# KiCad board CXD-ROUTER-V1.0_PUBLISH.kicad_pcb (continued)
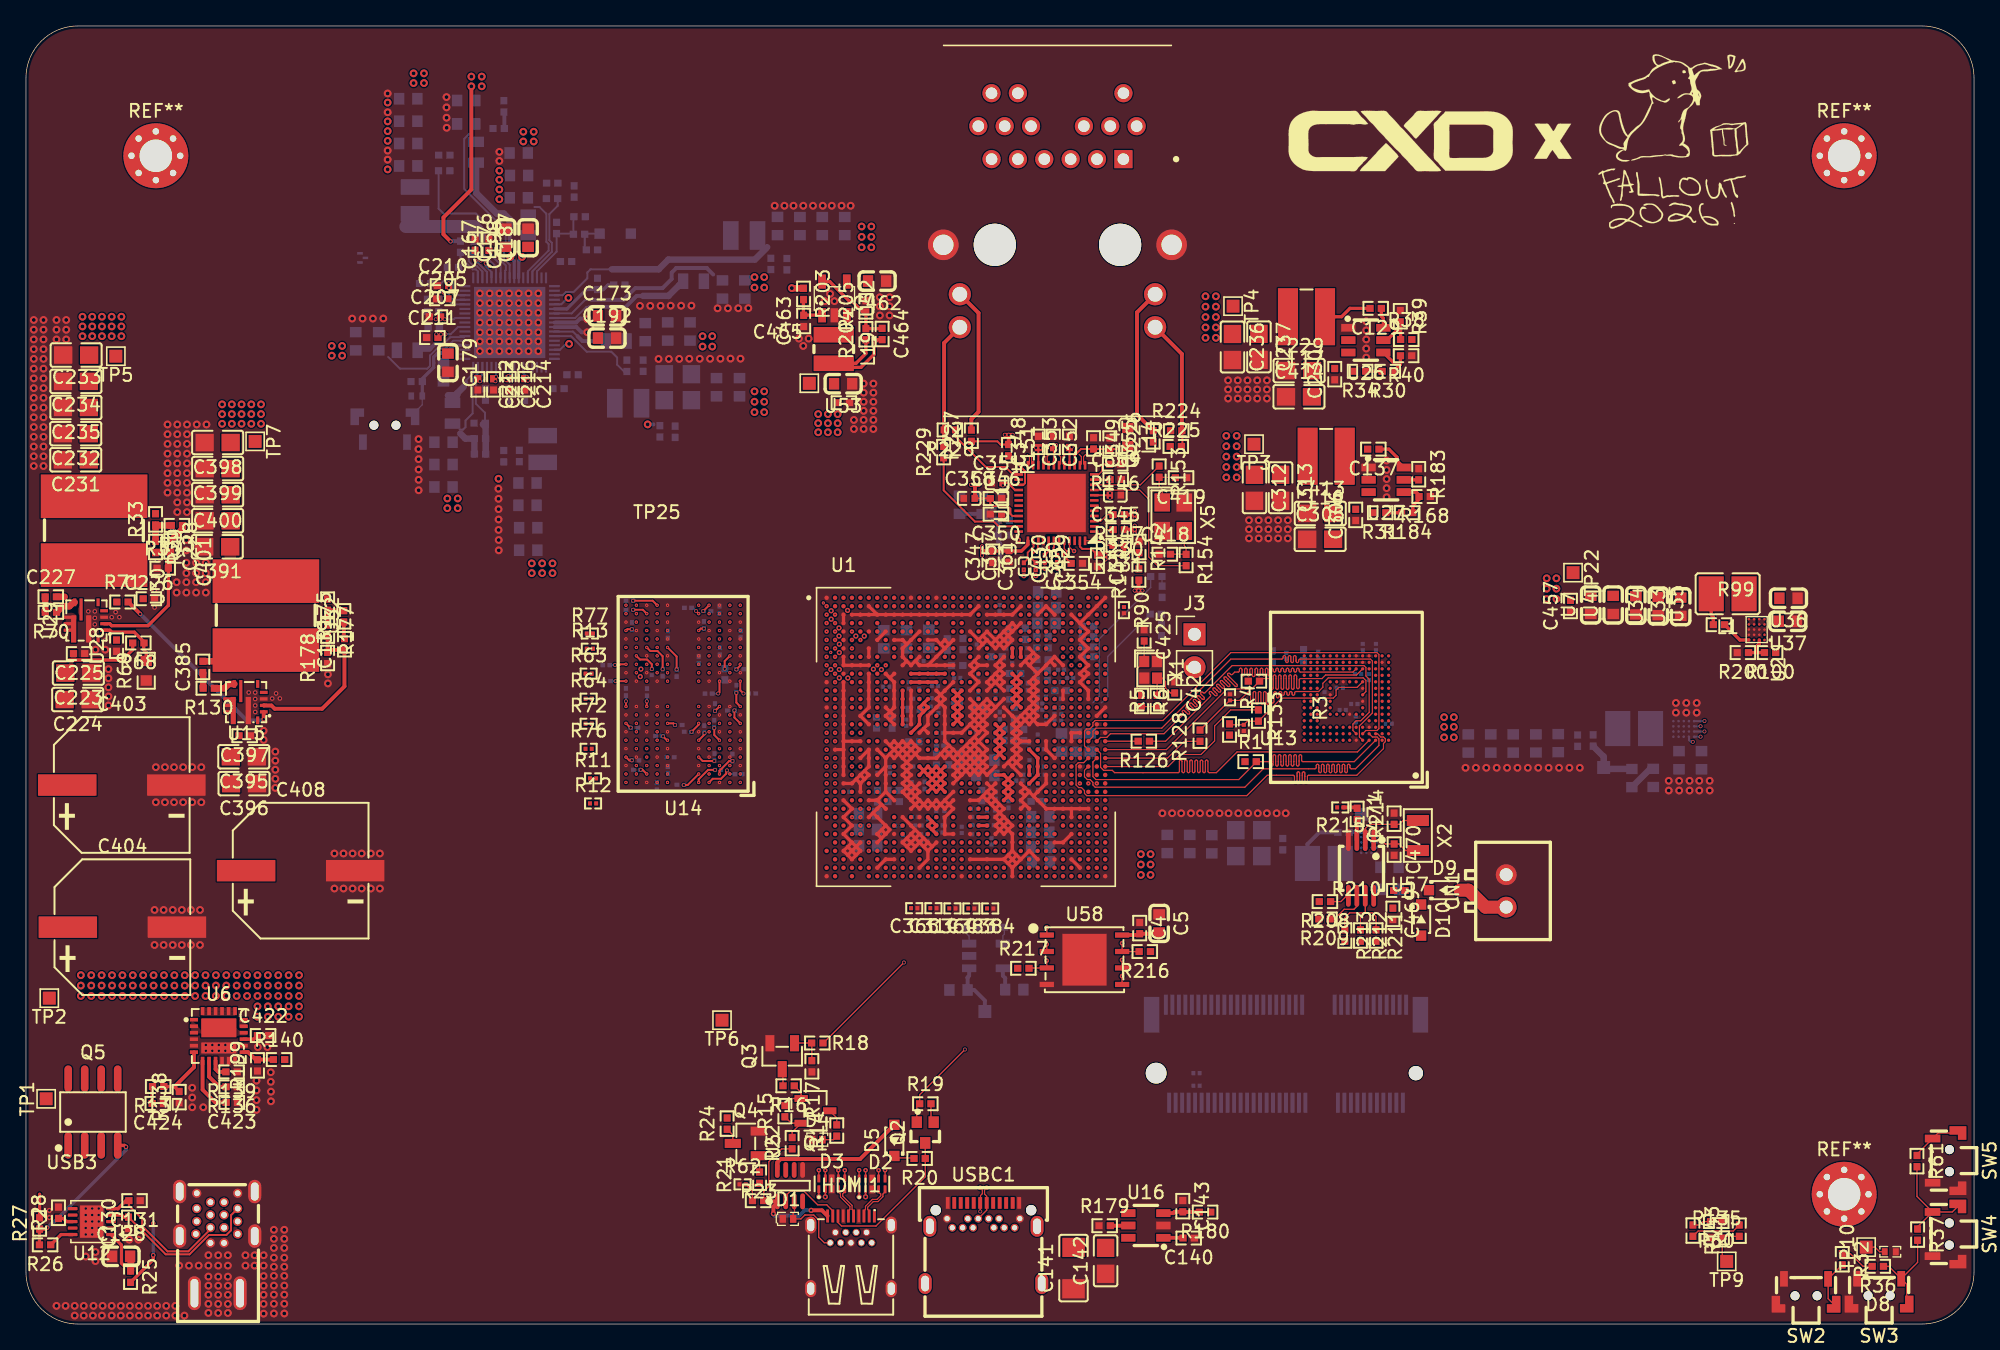
[diagram p0: board, top side]
## Routing (per net, layer and track width the routed paths; a pad name or vN(x,y) marks a point on that pad's centre or on a via; arc(x,y) is an arc through that point) (continued)
/15V_PD_OUT_UNFUSED: length 1.3
  Top w0.254: C424.2 9.72,18.27 R137.2
/ETHERNET & MAGNETICS/AVDD33_PLL_E2: length 5.2
  Top w0.15: L14.2 84.23,67.63 83.99,67.4 C355.2 83.45,67.41 C349.2 81.23,67.41 80.75,66.92 80.75,66.16
GND: length 345.4
  Top w0.254: 77.58,47.83 77.9,47.5 U1.U23 ; 77.58,47.83 U1.N26 77.6,48.45 77.55,48.45 ; 77.58,47.83 76.92,47.18 ; 77.58,47.83 U1.N25 77.55,48.45 ; 69.12,45.88 U1.U12 ; 69.12,45.88 U1.U13 ; 69.12,45.88 U1.T13 U1.R13 U1.N15 70.1,48.8 ; 66.2,37.75 65.87,38.08 ; 66.2,37.75 65.87,37.43 ; 66.2,37.75 66.52,38.08 66.2,38.4 ; 65.87,38.08 66.2,38.4 ; 65.87,38.08 U1.AJ7 65.87,37.43 ; 66.52,46.53 66.2,46.85 66.85,47.5 66.85,49.45 66.52,49.78 ; 66.52,46.53 66.85,46.85 66.2,47.5 ; 66.52,46.53 66.85,46.2 ; U1.J19 U1.J20 ; U1.J19 73.02,50.43 ; U1.J19 73.02,51.08 ; 67.83,36.78 U1.AK10 67.83,37.43 ; 67.83,36.78 U1.AL11 68.48,36.78 ; 67.83,36.78 U1.AK11 ; U1.W15 70.45,43.95 ; U1.W15 U1.Y16 ; U1.W15 71.08,44.58 ; 70.45,43.95 70.45,43.9 U1.Y15 U1.W16 ; 70.45,43.95 70.1,43.6 U1.Y13 U1.Y12 68.48,43.93 ; 74.3,47.15 U1.T19 ; 74.3,47.15 74.3,47.2 74,47.5 ; 74.3,47.15 U1.N22 ; U1.T19 73.05,45.9 73,45.9 ; U1.T19 U1.U20 U1.V19 U1.AA16 U1.AB17 ; U1.T19 72.7,46.85 73.67,47.83 ; U1.K6 64.9,47.5 U1.R5 U1.T6 ; 77.58,40.68 U1.AC27 U1.AB27 ; 77.58,40.68 76.92,41.33 ; 77.58,40.68 U1.AF27 U1.AF32 ; 67.83,52.38 U1.F11 U1.E12 ; 67.83,52.38 U1.F10 66.85,52.7 ; 67.83,52.38 U1.G10 U1.H10 67.8,51.1 ; 75.6,52.35 75.6,52.4 U1.F22 75,53 74.95,53 ; 75.6,52.35 U1.F23 U1.E22 ; 75.6,52.35 U1.G22 U1.E20 73.67,53.03 ; 68.48,40.68 67.83,41.33 ; 68.48,40.68 U1.AE12 ; 68.48,40.68 U1.AE11 ; 68.48,40.68 68.8,41 68.48,41.33 ; 69.12,36.78 U1.AJ11 ; 69.12,36.78 U1.AL13 ; 69.12,36.78 U1.AK13 ; U1.AJ11 68.48,38.08 ; U1.AJ11 67.83,37.43 ; 73.02,47.83 U1.R20 ; 73.02,47.83 72.7,48.15 ; 73.02,47.83 72.7,47.5 U1.T20 U1.Y16 ; U1.L3 U1.M3 U1.V3 ; 66.2,38.4 U1.AG7 65.23,39.38 ; U1.AE12 U1.AF13 70.1,40.35 U1.AF15 U1.AE16 ; U1.AE12 U1.AF11 ; 68.48,43.93 U1.AA10 U1.AB11 U1.AC10 67.83,41.33 ; 68.48,43.93 U1.W11 ; 68.48,43.93 U1.W12 68.48,44.58 ; U1.Y10 66.52,44.58 ; U1.Y10 U1.W11 ; U1.Y10 U1.AA11 U1.AB10 U1.AC11 ; 66.52,44.58 66.2,44.9 ; 66.52,44.58 66.85,44.9 U1.Y11 ; 81.48,49.78 U1.K31 81.48,50.43 ; 81.48,49.78 U1.K32 81.48,50.43 ; 81.48,49.78 U1.L31 U1.M32 U1.N32 ; U1.AK11 67.83,37.43 ; U1.AK11 68.48,36.78 ; U1.AK11 U1.AJ12 ; U1.AF25 76.92,40.03 ; 76.92,40.03 76.6,39.7 ; 76.92,40.03 76.6,40.35 76.92,40.68 ; 76.27,53.68 76.6,54 ; 76.27,53.68 75.95,54 75.62,53.68 ; 76.27,53.68 U1.G21 74.33,52.38 ; U1.N29 U1.M29 ; 72.7,40.35 U1.AE19 73.7,40.7 ; U1.AM22 75.65,36.15 ; U1.AM22 72.7,35.8 ; U1.AM22 75.62,35.48 ; 75.65,36.15 75.65,36.1 U1.AM23 ; 75.65,36.15 U1.AL23 ; 72.37,44.58 U1.AA20 U1.AB19 U1.W16 ; U1.F16 71.08,52.38 ; 71.08,52.38 U1.F15 70.42,52.38 ; 71.08,52.38 U1.J13 ; U1.E22 74.95,53 ; U1.E22 75.62,53.68 ; 74.95,53 U1.F21 74.33,52.38 ; 63.27,36.78 U1.AL3 63.27,36.12 ; 63.27,36.78 63.6,36.45 ; 63.27,36.78 63.6,37.1 ; 74.98,40.03 U1.AF22 U1.AG21 U1.AJ23 U1.AL23 ; 74.98,40.03 74,41 ; 74.98,40.03 U1.AF21 ; 65.23,39.38 U1.AF7 65.85,40 65.9,40 ; 65.23,39.38 U1.AG6 ; 76.92,41.33 76.6,41 76.92,40.68 ; 76.92,41.33 76.6,41.65 ; U1.W16 71.08,44.58 ; 63.6,36.45 63.92,36.12 ; 63.6,36.45 U1.AK5 ; 63.6,36.45 63.27,36.12 ; 63.92,36.12 U1.AL5 63.6,37.1 ; 63.92,36.12 63.6,35.8 63.27,36.12 ; U1.H25 77.58,51.73 ; U1.H25 77.58,51.08 ; U1.H25 76.92,51.08 ; 77.58,51.73 U1.G25 ; 77.58,51.73 U1.H26 77.58,51.08 ; 68.48,38.08 U1.AH11 U1.AG10 ; 68.48,38.08 69.12,37.43 ; U1.AJ30 U1.AK29 79.2,37.1 ; 81.48,50.43 U1.J32 U1.H31 U1.G32 U1.F31 U1.E32 U1.C30 ; U1.C20 U1.C23 76.6,55.3 ; U1.AM23 76.27,35.48 ; U1.AM23 76.27,36.12 ; U1.AM23 75.62,35.48 ; 76.27,35.48 U1.AN23 ; 76.27,35.48 U1.AL25 U1.AM26 ; 64.58,42.62 63.92,41.98 ; 64.58,42.62 U1.AA6 U1.Y6 U1.W6 U1.Y5 ; 64.58,42.62 U1.AB6 64.58,41.98 ; 63.92,41.98 U1.AC5 ; 63.92,41.98 63.6,41.65 U1.AC3 ; U1.W3 62.3,44.25 ; U1.AE20 73.7,40.65 73.7,40.7 ; U1.AE20 74.27,40.08 ; U1.AE20 74.65,41 U1.AC20 ; 77.25,47.5 U1.R26 U1.T25 76.6,46.85 ; 63.6,37.1 U1.AJ3 63.6,38.4 U1.AG3 63.6,39.7 U1.AE3 ; 72.7,53.35 U1.F19 ; U1.F19 73.67,53.03 ; U1.F19 73.65,52.4 73.65,52.35 ; U1.AL23 76.27,36.12 ; 73.02,50.43 72.7,50.1 U1.L19 72.7,48.8 ; 73.02,50.43 72.7,50.75 73.02,51.08 ; 66.52,49.78 66.21,50.09 ; 66.52,49.78 66.85,50.1 ; U1.J10 67.8,51.05 67.8,51.1 ; 71.73,41.98 U1.AB16 U1.W19 ; 71.73,41.98 U1.W20 73.02,45.23 ; 71.73,41.98 U1.AC16 ; 73.67,47.83 U1.N20 74.33,47.83 ; 73.67,47.83 74,47.5 ; U1.W11 U1.V10 66.52,43.93 ; U1.W11 68.48,44.58 ; 64.89,50.76 64.88,50.75 U1.J3 U1.H3 ; U1.U15 U1.U17 72.7,46.2 ; U1.U15 U1.V15 71.08,44.58 ; U1.U15 70.75,47.5 70.1,48.15 U1.M15 U1.L16 ; 76.6,44.9 U1.U23 ; 76.6,44.9 U1.W23 76.6,43.6 U1.AA23 ; 76.6,44.9 U1.V25 ; U1.U23 76.6,46.2 75.3,47.5 ; 76.92,47.18 U1.T23 76.6,45.55 U1.V23 76.6,44.25 75.62,43.28 ; 76.92,47.18 U1.R25 U1.T26 U1.T27 79.2,46.85 ; U1.K26 76.92,51.08 ; U1.K26 77.6,49.8 ; U1.K26 78.87,51.08 ; 76.92,51.08 76.6,50.75 ; 74.27,40.08 74.37,40.08 U1.AE21 ; 74.27,40.08 U1.AF21 ; 73,45.9 72.7,46.2 ; 73,45.9 U1.U19 ; 72.7,46.2 74,47.5 ; 77.58,51.08 U1.J25 ; 66.2,41 U1.AE7 ; 66.2,41 66.2,43.6 ; 66.2,41 66.85,40.35 ; U1.AE7 U1.AE6 ; U1.AE7 65.9,40 ; U1.V27 U1.W27 79.2,43.6 79.25,43.65 ; 77.55,48.45 77.55,48.5 U1.M25 77.55,49.1 ; 77.55,48.45 U1.M26 77.6,49.1 77.55,49.1 ; 74.98,51.08 U1.J22 74.33,49.78 ; 74.98,51.08 U1.H22 ; 74.98,51.08 U1.J21 U1.K22 74.33,49.12 ; 74.33,52.38 U1.F20 ; U1.B6 U1.C7 ; U1.AN12 69.45,35.8 U1.AL13 ; 77.55,49.1 U1.L26 77.6,49.75 77.6,49.8 ; 77.55,49.1 77.55,49.15 U1.L25 77.6,49.8 ; 66.85,35.8 66.2,35.8 U1.AN7 ; 63.6,54.65 72.7,54.65 U1.B19 ; 73.7,40.7 U1.AC21 ; U1.E23 75.62,53.68 ; U1.AA23 76.6,42.3 ; U1.AA23 75.62,43.28 ; 75.62,43.28 U1.AA22 ; U1.AA21 U1.AB20 U1.W17 ; 79.2,50.75 78.87,51.08 ; 78.87,51.08 79.2,51.4 U1.J29 ; U1.U31 U1.U30 U1.V30 ; U1.AC11 67.83,41.33 ; U1.AC11 68.48,41.33 ; U1.W7 66.2,43.6 ; 66.2,43.6 66.52,43.93 ; 74,47.5 74.33,47.83 ; 74.33,47.83 74.65,47.5 ; 73.67,53.03 U1.F20 ; U1.AC12 68.48,41.33 ; 68.48,41.33 67.83,40.68 ; 65.87,37.43 U1.AK7 ; 74.33,49.78 U1.L21 74.98,49.12 ; 74.33,49.78 U1.L20 74.33,49.12 ; U1.K21 U1.L22 74.98,49.12 ; 74.33,49.12 U1.M20 ; U1.AE15 U1.AF16 U1.AG15 U1.AH15 U1.AJ15 U1.AJ16 ; 73.02,51.08 U1.H19 ; 74.98,49.12 U1.M22 ; 67.83,41.33 67.5,41 67.83,40.68 ; 68.48,36.78 U1.AK12 69.12,37.43 ; 67.8,51.1 U1.J11 68.48,51.08 ; 75.95,34.5 U1.AN23 ; U1.AN23 75.62,35.48 ; 66.52,43.93 66.85,43.6 U1.V11 68.48,44.58 ; U1.AL13 69.77,36.78 ; U1.Y16 72.7,42.3 U1.Y20 72.7,44.9 ; U1.F20 73.65,52.35 ; 73.65,52.35 U1.G19 ; 76.92,40.68 77.25,41 ; 75.62,38.73 U1.AH23 U1.AJ22 U1.AH21 U1.AG22 ; 75.62,38.73 U1.AF21 ; 75.62,38.73 U1.AH22 U1.AJ21 ; U1.F13 70.1,52.7 70.42,52.38 ; 69.12,37.43 U1.AK13 ; 67.83,40.68 U1.AF12 U1.AE13 70.1,39.7 71.4,41 ; 69.77,36.78 70.1,37.1 ; 69.77,36.78 U1.AK13 ; U1.V3 U1.V5 ; U1.V3 U1.AB3 ; 70.42,52.38 U1.G15 ; U1.J13 U1.J12 68.48,51.08 ; U1.J13 U1.J16 ; 68.48,51.08 U1.H12 ; U1.G6 U1.H6 ; 83.1,55.95 81.15,54 ; 79.2,54.65 U1.B27 U1.C26 ; U1.T11 U1.M11 ; 76.27,36.12 76.6,35.8 ; 64.58,41.98 U1.AC5 ; 64.58,41.98 U1.AB5 ; U1.AC5 64.25,41 ; 65.9,40 66.2,39.7 ; 66.2,53.35 U1.F7 ; U1.AG30 U1.AF30 ; U1.AM30 U1.AN31 ; U1.C3 62.95,54 ; 66.2,42.95 U1.AB7 ; U1.Y23 76.6,42.95 ; 83.1,47.5 U1.R33
  Bottom w0.3: U18.44 42.38,76.81 42.78,76.41 v1(43.22,76.41) ; v1(43.22,77.41) 43.17,77.46 42.67,77.46 42.37,77.16 U18.43
  vias: v1(0.6,77.35) v1(0.6,76.6) v1(0.6,75.85) v1(0.6,75.1) v1(0.6,74.35) v1(0.6,73.6) v1(0.6,72.85) v1(0.6,72.1) v1(0.6,71.35) v1(0.6,70.6) v1(0.6,69.85) v1(0.6,69.1) v1(0.6,68.35) v1(0.6,67.6) v1(0.6,66.85) v1(0.6,66.1) v1(1.35,77.35) v1(1.35,76.6) v1(1.35,75.85) v1(1.35,75.1) v1(1.35,74.35) v1(1.35,73.6) v1(1.35,72.85) v1(1.35,72.1) v1(1.35,71.35) v1(1.35,70.6) v1(1.35,69.85) v1(1.35,69.1) v1(1.35,68.35) v1(1.35,67.6) v1(1.35,66.85) v1(1.35,66.1) v1(2.35,77.35) v1(2.35,76.6) v1(2.35,75.85) v1(2.35,1.4) v1(3.05,1.4) v1(3.1,77.35) v1(3.1,76.6) v1(3.1,75.85) v1(3.75,1.4) v1(3.75,0.65) v1(4.45,1.4) v1(4.45,0.65) v1(4.6,5.2) v1(5.15,0.65) v1(5.2,1.4) v1(5.35,51.95) v1(5.35,5.55) v1(5.35,4.85) v1(5.85,0.65) v1(5.9,1.4) v1(6.1,51.95) v1(6.35,50.45) v1(6.35,49.75) v1(6.35,49.05) v1(6.35,48.35) v1(6.35,47.65) v1(6.6,1.4) v1(6.6,0.65) v1(7.3,1.4) v1(7.3,0.65) v1(7.95,6.5) v1(8,1.4) v1(8,0.65) v1(8.65,6.5) v1(8.7,1.4) v1(8.7,0.65) v1(9.4,1.4) v1(9.4,0.65) v1(9.9,31.9) v1(9.9,29.2) v1(10,42.9) v1(10,40.2) v1(10.1,1.4) v1(10.1,0.65) v1(10.6,31.9) v1(10.6,29.2) v1(10.7,42.9) v1(10.7,40.2) v1(10.8,1.4) v1(10.8,0.65) v1(10.9,69.3) v1(10.9,68.55) v1(10.9,67.8) v1(10.9,67.05) v1(10.9,66.3) v1(10.9,65.55) v1(10.9,64.8) v1(10.9,64.05) v1(11.3,31.9) v1(11.3,29.2) v1(11.4,42.9) v1(11.4,40.2) v1(11.5,1.4) v1(11.5,0.65) v1(11.65,69.3) v1(11.65,68.55) v1(11.65,67.8) v1(11.65,67.05) v1(11.65,66.3) v1(11.65,65.55) v1(11.65,64.8) v1(11.65,64.05) v1(11.65,63.3) v1(11.65,62.55) v1(11.6,57.15) v1(11.6,56.35) v1(11.79,4.51) v1(12,31.9) v1(12,29.2) v1(12.1,42.9) v1(12.1,40.2) v1(12.2,0.65) v1(12.35,60.4) v1(12.35,59.6) v1(12.35,58.65) v1(12.35,57.85) v1(12.35,57.15) v1(12.35,56.35) v1(12.4,69.3) v1(12.4,68.55) v1(12.4,67.8) v1(12.4,67.05) v1(12.4,66.3) v1(12.4,65.55) v1(12.4,64.8) v1(12.4,64.05) v1(12.4,63.3) v1(12.4,62.55) v1(12.55,4.5) v1(12.7,31.9) v1(12.7,29.2) v1(12.8,42.9) v1(12.8,40.2) v1(12.8,18.2) v1(12.8,17.45) v1(12.8,16.7) v1(13.15,69.3) v1(13.1,58.65) v1(13.1,57.85) v1(13.1,57.15) v1(13.1,56.35) v1(13.3,4.5) v1(13.4,31.9) v1(13.4,29.2) v1(13.5,42.9) v1(13.5,40.2) v1(13.65,16.7) v1(13.85,58.65) v1(13.85,57.85) v1(13.85,57.15) v1(13.85,56.35) v1(13.9,69.3) v1(14.04,5.31) v1(14.04,4.51) v1(14.04,3.66) v1(14.04,2.96) v1(14.04,2.26) v1(14.04,1.56) v1(14.04,0.86) v1(14.8,5.3) v1(14.8,4.5) v1(14.8,3.65) v1(14.8,2.95) v1(14.8,2.25) v1(14.8,1.55) v1(14.8,0.85) v1(15.55,5.3) v1(15.55,4.5) v1(15.55,3.65) v1(15.55,2.95) v1(15.55,2.25) v1(15.55,1.55) v1(15.55,0.85) v1(16.9,5.3) v1(16.9,4.5) v1(17.6,5.3) v1(17.6,4.5) v1(17.75,18.75) v1(17.75,18) v1(17.75,17.25) v1(17.75,16.5) v1(17.85,21.34) v1(18.3,45.7) v1(18.3,45) v1(18.3,5.3) v1(18.3,4.5) v1(18.3,3.7) v1(18.3,2.95) v1(18.3,2.25) v1(18.3,1.55) v1(18.3,0.8) v1(18.59,21.34) v1(18.85,19.4) v1(18.85,18.66) v1(18.86,17.9) v1(18.86,17.16) v1(19.09,7.26) v1(19.09,6.56) v1(19.09,5.86) v1(19.09,5.11) v1(19.09,4.41) v1(19.09,3.71) v1(19.09,2.96) v1(19.09,2.26) v1(19.09,1.56) v1(19.09,0.81) v1(19.2,44.1) v1(19.2,43.4) v1(19.2,42.7) v1(19.2,42) v1(19.2,41.3) v1(19.89,7.26) v1(19.89,6.56) v1(19.89,5.86) v1(19.89,5.11) v1(19.89,4.41) v1(19.89,3.71) v1(19.89,2.96) v1(19.89,2.26) v1(19.89,1.56) v1(19.89,0.81) v1(23.25,50.05) v1(23.25,49.35) v1(23.75,36.25) v1(23.75,33.55) v1(24.45,36.25) v1(24.45,33.55) v1(25.12,77.46) v1(25.15,36.25) v1(25.15,33.55) v1(25.85,36.25) v1(25.85,33.55) v1(25.92,77.46) v1(26.55,36.25) v1(26.55,33.55) v1(26.72,77.46) v1(27.25,36.25) v1(27.25,33.55) v1(27.51,77.46) v1(27.85,94.8) v1(27.85,93.35) v1(27.85,90.4) v1(27.85,89.7) v1(30.23,68.17) v1(30.22,67.4) v1(30.23,66.63) v1(30.23,65.83) v1(30.24,65.04) v1(30.24,64.23) v1(32.38,94.52) v1(32.38,93.73) v1(32.39,92.93) v1(32.39,92.16) v1(34.95,79.4) v1(34.95,78.65) v1(34.95,77.9) v1(34.95,77.15) v1(34.95,76.4) v1(34.95,75.7) v1(34.95,74.95) v1(35.7,79.4) v1(35.7,78.65) v1(35.7,77.9) v1(35.7,77.15) v1(35.7,76.4) v1(35.7,75.7) v1(35.7,74.95) v1(36.45,90.3) v1(36.45,89.6) v1(36.45,79.4) v1(36.45,78.65) v1(36.45,77.9) v1(36.45,77.15) v1(36.45,76.4) v1(36.45,75.7) v1(36.45,74.95) v1(36.38,64.35) v1(36.39,63.57) v1(36.39,62.78) v1(36.39,61.98) v1(36.39,61.18) v1(36.4,60.4) v1(36.4,59.6) v1(37.2,79.4) v1(37.2,78.65) v1(37.2,77.9) v1(37.2,77.15) v1(37.2,76.4) v1(37.2,75.7) v1(37.2,74.95) v1(37.95,79.4) v1(37.95,78.65) v1(37.95,77.9) v1(37.95,77.15) v1(37.95,76.4) v1(37.95,75.7) v1(37.95,74.95) v1(38.7,79.4) v1(38.7,78.65) v1(38.7,77.9) v1(38.7,77.15) v1(38.7,76.4) v1(38.7,75.7) v1(38.7,74.95) v1(39.45,79.4) v1(39.45,78.65) v1(39.45,77.9) v1(39.45,77.15) v1(39.45,76.4) v1(39.45,75.7) v1(39.45,74.95) v1(47.27,78.44) v1(48.07,78.44) v1(48.71,74.34) v1(48.87,78.44) v1(49.5,74.35) v1(49.64,78.45) v1(50.3,74.35) v1(50.45,78.45) v1(51.08,74.36) v1(51.24,78.45) v1(51.88,74.36) v1(52.68,74.36) v1(53.25,78.25) v1(53.47,74.36) v1(54.05,78.25) v1(54.25,74.37) v1(54.85,78.25) v1(55.02,74.37) v1(55.62,78.26) v1(57.65,86.15) v1(58.4,86.15) v1(59.1,86.15) v1(59.52,75.92) v1(59.85,86.15) v1(59.85,75.35) v1(60.27,75.92) v1(60.6,86.15) v1(61.35,86.15) v1(61.5,78.8) v1(61.92,79.37) v1(62.05,86.15) v1(62.25,78.8) v1(62.8,86.15) v1(63.5,86.15) v1(63.75,69.65) v1(63.75,68.95) v1(64.5,72.45) v1(64.5,71.75) v1(64.5,71.05) v1(64.5,70.35) v1(64.5,69.65) v1(64.5,68.95) v1(65.25,72.45) v1(65.25,71.75) v1(65.25,71.05) v1(65.25,70.35) v1(65.25,69.65) v1(65.25,68.95) v1(65.75,79.1) v1(65.75,78.4) v1(65.75,77.7) v1(66.5,79.1) v1(66.5,78.4) v1(66.5,77.7) v1(87.5,39.35) v1(88.25,39.35) v1(88.95,39.35) v1(89.7,39.35) v1(90.4,39.35) v1(91.15,39.35) v1(91.9,39.35) v1(92.56,72.7) v1(92.56,72) v1(92.56,71.3) v1(92.6,39.35) v1(93.31,72.7) v1(93.31,72) v1(93.31,71.3) v1(93.35,39.35) v1(94.06,72.7) v1(94.06,72) v1(94.06,71.3) v1(94.17,61.93) v1(94.17,61.23) v1(94.17,60.53) v1(94.1,39.35) v1(94.81,72.7) v1(94.81,72) v1(94.81,71.3) v1(94.85,39.35) v1(94.92,61.93) v1(94.92,61.23) v1(94.92,60.53) v1(95.56,72.7) v1(95.56,72) v1(95.56,71.3) v1(95.55,39.35) v1(95.67,61.93) v1(95.67,61.23) v1(95.67,60.53) v1(96.3,39.35) v1(96.42,61.93) v1(96.42,61.23) v1(96.42,60.53) v1(97,39.35) v1(97.17,61.93) v1(97.17,61.23) v1(97.17,60.53) v1(103.2,77.25) v1(103.2,76.55) v1(103.2,75.85) v1(103.2,75.15) v1(103.2,74.45) v1(104.77,66.53) v1(104.77,65.8) v1(104.77,65.1) v1(104.77,64.4) v1(104.77,63.7) v1(110.84,42.85) v1(111.64,42.85) v1(112.44,42.85) v1(113.24,42.85) v1(114.04,42.85) v1(114.84,42.85) v1(115.64,42.85) v1(116.44,42.85) v1(117.24,42.85) v1(118.04,42.85) v1(118.84,42.85) v1(119.64,42.85) v1(126.49,41.85) v1(126.49,41.1) v1(127.04,47.85) v1(127.04,47.1) v1(127.29,41.85) v1(127.29,41.1) v1(127.84,47.85) v1(127.84,47.1) v1(128.09,41.85) v1(128.09,41.1) v1(128.64,47.85) v1(128.64,47.1) v1(128.84,41.85) v1(128.84,41.1) v1(129.64,41.85) v1(129.64,41.1) v2(46.2,54.08) v2(46.2,52.78) v2(46.2,51.48) v2(46.2,50.18) v2(46.2,46.93) v2(46.2,45.62) v2(46.2,44.33) v2(46.2,43.03) v2(47,53.43) v2(47,49.53) v2(47,47.58) v2(47,43.68) v2(47.8,55.38) v2(47.8,51.48) v2(47.8,50.18) v2(47.8,46.93) v2(47.8,45.62) v2(47.8,41.73) v2(48.6,53.43) v2(48.6,49.53) v2(48.6,47.58) v2(48.6,43.68) v2(49.4,55.38) v2(49.4,54.08) v2(49.4,52.78) v2(49.4,51.48) v2(49.4,45.62) v2(49.4,44.33) v2(49.4,43.03) v2(51.8,55.38) v2(51.8,54.08) v2(51.8,52.78) v2(51.8,51.48) v2(51.8,45.62) v2(51.8,44.33) v2(51.8,43.03) v2(52.6,53.43) v2(52.6,49.53) v2(52.6,47.58) v2(52.6,43.68) v2(53.4,55.38) v2(53.4,51.48) v2(53.4,50.18) v2(53.4,46.93) v2(53.4,45.62) v2(53.4,41.73) v2(54.2,53.43) v2(54.2,49.53) v2(54.2,47.58) v2(54.2,43.68) v2(55,54.08) v2(55,52.78) v2(55,51.48) v2(55,50.18) v2(55,46.93) v2(55,45.62) v2(55,44.33) v2(55,43.03) v3(4.8,54.9) v3(5.3,54.9) v3(5.3,54.4) v3(5.3,53.9) v3(5.3,53.4) v3(6.1,52.7) v3(6.6,54.45) v3(6.9,54.84) v3(7.19,54.45) v3(9.9,56.5) v3(9.9,55.2) v3(10.1,58.8) v3(10.1,57.6) v3(13.85,21.5) v3(13.85,21.05) v3(14.35,21.5) v3(14.35,21.05) v3(14.85,21.5) v3(14.85,21.05) v3(15.35,21.5) v3(15.35,21.05) v3(15.85,21.5) v3(15.85,21.05) v3(17.15,48.65) v3(17.65,48.65) v3(17.65,48.15) v3(17.65,47.65) v3(17.65,47.15) v3(18.96,48.19) v3(19.26,48.58) v3(19.55,48.19) v4(1.8,8.75) v4(1.8,8.2) v4(4.6,8.9) v4(4.6,8.4) v4(4.6,7.9) v4(4.6,7.4) v4(4.6,6.9) v4(5.1,8.9) v4(5.1,8.4) v4(5.1,7.9) v4(5.1,7.4) v4(5.1,6.9) v4(5.6,8.9) v4(5.6,8.4) v4(5.6,7.9) v4(5.6,7.4) v4(5.6,6.9)
VCC1V8_PMU_DDR_S3: length 1.3
  Bottom w0.3: R47.1 36.83,93.34 R48.1
  vias: v2(46.2,52.12) v2(46.2,44.98) v2(48.6,51.48) v2(48.6,45.62) v2(52.6,51.48) v2(52.6,45.62) v2(55,52.12) v2(55,44.98)
VCC3V3_ETH: length 18.9
  Top w0.15: C358.2 74.25,63.6 C346.1 74.26,63.2 74.45,63 75.6,63 75.8,62.8 75.8,62.41 75.96,62.25 U11.33 ; R227.1 74.8,68 75.05,67.75 75.05,67.76 R151.1 ; C352.1 79.15,67.48 79.15,66.16 ; 76.44,61.85 75.3,61.85 75.12,62.03 C350.1
  Top w0.3: 75.67,67.71 v5(75.67,68.51) ; R147.1 v5(85.37,62.36) ; v5(85.37,62.66) v5(85.37,62.06) ; v5(72.77,64.66) v5(73.37,64.66) ; v5(84.87,59.16) v5(84.27,59.16) ; 73.07,63.86 v5(73.07,64.66) ; v5(85.97,56.51) v5(85.37,56.51) ; 84.57,61.21 v5(85.37,61.21) ; 84.57,59.96 v5(84.57,59.16) ; v5(85.37,61.51) v5(85.37,60.91) ; 85.67,57.31 v5(85.67,56.51) ; v5(75.37,68.51) v5(75.97,68.51)
  vias: v1(90.83,79.18) v1(90.83,78.38) v1(90.83,77.58) v1(90.83,76.78) v1(90.83,75.98) v1(91.62,79.18) v1(91.62,78.38) v1(91.62,77.58) v1(91.62,76.78) v1(91.62,75.98) v5(78.92,67.71) v5(79.27,67.36) v5(79.32,67.71)
VCC4V0_SYS: length 2.1
  Bottom w0.15: U18.21 35.49,81.05 34.62,81.93 v5(34.6,81.93) v5(35,81.93)
VCC5V0_SYS: length 6.6
  Top w0.3: U16.1 89.08,6.64 C140.2
  Bottom w0.15: v5(35.69,81.5) 35.49,81.7 v5(35.4,81.7) 35.4,81.49 35.84,81.05 U18.22
  Bottom w0.254: v1(37.29,82.2) 37.59,81.9 U18.27 ; U18.28 37.94,81.9 38.19,82.15 v1(38.19,82.21)
  vias: v1(4.35,77.6) v1(4.35,76.85) v1(4.35,76.1) v1(5.1,77.6) v1(5.1,76.85) v1(5.1,76.1) v1(5.85,77.6) v1(5.85,76.85) v1(5.85,76.1) v1(6.6,77.6) v1(6.6,76.85) v1(6.6,76.1) v1(7.35,77.6) v1(7.35,76.85) v1(7.35,76.1) v1(27.85,94.1) v1(27.85,92.65) v1(27.85,91.9) v1(27.85,91.15) v1(27.85,88.95) v1(36.45,88.85) v1(36.45,88.15) v1(36.45,87.4) v1(36.45,86.65)
VCC5V_HDMIRX_PORT: length 12.1
  Top w0.1: R23.2 56.81,10.21 57.2,10.6 57.2,12.5 58.2,13.5 R22.1
  Top w0.3: R23.2 56.86,9.45 U5.1 57.85,9.45 57.85,9.35 57.55,9.05 v4(57.55,8.5) ; HDMI1.19 61.29,8.76 v4(60.46,8.76)
  Bottom w0.3: v4(57.55,8.5) 57.55,8.45 57.65,8.35 59.55,8.35 59.96,8.76 v4(60.46,8.76)
VCC_1V1_NLDO_S3: length 11.6
  Top w0.254: C464.2 65.58,75.84 65.3,75.55 65.3,74.7 64.3,73.7 62.51,73.7 L19.2 63.91,74.01 64.67,74.78 R204.1
  Bottom w0.15: U18.13 32.84,78.56 32.22,79.17 32.22,79.38 32.17,79.38 v5(32.17,79.46) v5(31.77,79.46)
  vias: v1(61,70.1) v1(61,69.4) v1(61,68.7) v1(61.75,70.1) v1(61.75,69.4) v1(61.75,68.7) v1(62.5,70.1) v1(62.5,69.4) v1(62.5,68.7)
VCC_1V8_S0: length 4.6
  Top w0.1: Q2.2 69.68,15.76 R19.2
  Top w0.254: U1.W25 U1.Y26 U1.AA26 U1.AB26 U1.AC25
VCC_1V8_S3: length 102
  Top w0.3: v5(32.69,83.4) 32.14,83.95 32.14,85.25 34.29,87.4 v1(34.29,95.35) ; C5.2 87.15,30.07 C4.2 85.66,29.97 U58.8
  In5.Cu w2: 45.22,47.22 42.82,47.22 20.08,69.95 20.08,88.99 28.83,97.73 32.66,97.73 v1(34.29,96.1)
  Bottom w0.15: U18.25 36.89,81.15 36.94,81.2 36.94,81.55 36.56,81.93 36.56,82.77 36.94,83.15 36.94,83.16 36.94,84 36.74,84.2 36.74,84.7 36.49,84.95 36.24,84.95 33.74,87.45 33.74,91.3 34.14,91.7 34.19,91.7
  Bottom w0.3: R57.2 32.72,83.43 v5(32.69,83.4)
  vias: v1(35.09,96.1) v1(35.09,95.35)
VCC_1V8_S3_PLDO6: length 2.8
  Bottom w0.15: C197.2 34.25,82.51 34.09,82.35 34.09,81.88 34.49,81.48 34.74,81.48 35.14,81.08 U18.20
VCC_2V0_PLDO_S3: length 14.2
  Bottom w0.15: U18.41 42.02,77.86 43.07,78.91 43.52,78.91
  Bottom w0.3: 52.92,80.86 52.42,81.36 50.07,81.36 49.72,81 49.72,80.5 49.02,79.81 46.92,79.81 46.02,78.91 43.52,78.91
  vias: v1(56.09,80.65) v1(56.09,79.85) v1(56.84,80.65) v1(56.84,79.85)
VCC_3V3_S0: length 15
  Top w0.3: D5.2 64.23,12.71 58.11,12.71 57.85,12.45 U5.8
  Bottom w0.3: TP24.1 73.83,24.92 73.01,25.74 C466.2 72.5,26.7 72.5,26.7 72.62,26.82 U46.1
VCC_3V3_S3: length 78.7
  In5.Cu w1: v1(24.34,74.6) 30.43,74.6 49.68,55.35 49.68,53.23 53.55,49.36 61.84,49.36 66.34,44.85 76.59,44.85 79.09,47.35
  Bottom w0.15: 27.89,74.5 28.79,73.6 30.89,73.6 31.11,73.82 31.11,74.62 31.65,75.15 32.29,75.15 32.9,75.75 U18.5
  Bottom w0.3: U46.5 75.22,26.83 75.4,26.65 C467.2
  vias: v1(23.54,75.35) v1(23.54,74.6) v1(24.34,75.35)
VCCA_1V8_S0: length 5.7
  Top w0.1: R143.2 128.76,7.17 131.47,7.17 R41.2
  Top w0.254: U1.H23 U1.G23
  Bottom w0.15: v5(36.95,72.73) 36.95,72.83 v5(37.15,73.03) 37.24,73.12 U18.60
VCCA_3V3_S0: length 1.1
  Bottom w0.15: v5(36.15,72.62) 36.2,72.68 v5(36.2,72.98) 36.19,72.98 U18.63
VCCIO_SD_S0: length 1.4
  Bottom w0.15: U18.65 35.49,72.95 35.17,72.62 v5(34.95,72.62)
VDD2_DDR_S3: length 91.8
  Top w0.15: v2(51.8,44.98) 52.25,45.43 v5(52.25,45.53) ; v5(45.35,50.78) 45.7,50.78 45.75,50.83 v2(46.2,50.83) ; v5(45.4,49.53) v2(46.2,49.53) ; v2(55,50.83) 55,50.73 v5(54.7,50.43) ; v2(47.8,47.58) v5(47.8,47.98) ; v5(51.25,45.62) 51.8,46.18 v2(51.8,46.28) ; v2(55,47.58) 54.7,47.88 v5(54.7,48.62) ; v2(48.6,55.38) 48.25,55.73 v5(46.75,55.73) ; v5(50.1,50.43) 50.1,51.43 v2(49.4,52.12) ; v5(53.98,42.65) 53.92,42.59 53.92,42.41 53.52,42.01 52.88,42.01 v2(52.6,41.73) ; v5(55.25,48.58) 55,48.83 v2(55,49.53) ; v5(49.05,45.28) 49.35,44.98 v2(49.4,44.98) ; v2(55,46.28) 54.55,46.73 v5(54.55,47.28) ; v2(46.2,47.58) v5(46.2,47.98) ; v2(52.6,55.38) 52.6,55.37 v5(52.15,54.93) ; v2(53.4,49.53) 53.4,48.68 v5(53.3,48.58) ; v2(53.4,47.58) v5(53.05,47.23) ; v2(49.4,46.28) 49.85,46.28 v5(49.97,46.15) ; v2(46.2,46.28) 46.53,45.94 v5(46.56,45.94)
  In5.Cu w2: v1(38.29,91.85) 34.04,91.85 22.16,79.97 22.16,73.02 24.51,70.68 29.67,70.68 34.84,65.51 34.84,59.21 43.28,50.78 v5(45.35,50.78)
  Bottom w0.15: v5(53.98,42.65) 54.27,42.36 C257.2 ; v5(46.2,47.98) 46.19,47.98 C320.2 ; v5(45.4,49.53) 45.39,49.53 45.01,49.53 ; 39.14,86.05 39.54,86.05 40.06,85.53 40.06,83.38 40.24,83.2 40.24,82.7 38.64,81.1 U18.30 ; C317.2 47.81,47.99 v5(47.8,47.98) ; v5(53.3,48.58) 53.29,48.57 C327.2 ; 55.64,48.58 55.63,48.58 v5(55.25,48.58) ; v5(45.35,50.78) 44.97,50.78 C410.2
  vias: v1(38.29,91.1) v1(39.09,91.85) v1(39.09,91.1) v2(47.8,49.53) v2(48.6,41.73) v2(49.4,50.83) v2(51.8,52.12) v2(51.8,50.83)
VDD_0V75_S0: length 3.7
  Top w0.254: 76.6,51.4 76.6,52.05 ; U1.AG19 U1.AG20 ; U1.AA25 U1.AB25
  Bottom w0.15: U18.8 33.25,76.81 32.69,76.25 v5(32.3,76.25)
  vias: v5(31.6,76.25) v5(31.95,76.25)
VDD_0V75_S3: length 2.3
  Bottom w0.15: v5(32.55,80.18) v5(32.55,79.83) 32.55,79.24 32.89,78.91 U18.14
VDD_CPU_BIG0_S0: length 4.8
  Top w0.254: R99.2 131.97,52.7 U2.A4 ; L1.2 129.76,54.64 129.93,54.48 R99.1
  vias: v1(117.09,57.45) v1(117.09,56.65) v1(117.09,55.85) v1(117.84,57.45) v1(117.84,56.65) v1(117.84,55.85)
VDD_CPU_BIG1_MEM_S0: length 2.2
  Bottom w0.5: L20.2 125.06,42.77 U55.2
VDD_CPU_BIG1_S0: length 54.1
  Top w0.254: 76.27,49.77 76.59,49.45 76.6,49.45 76.27,49.12 ; 76.27,49.77 76.27,49.78 U1.K23 ; 76.27,49.77 U1.L23 76.27,49.13 76.27,49.12 ; 76.27,49.77 76.6,50.1 ; 76.27,49.12 76.28,49.12 76.6,48.8 U1.N23 76.6,47.5 ; 76.27,49.12 U1.M23 76.6,48.15 75.95,47.5 ; U1.T17 U1.R16 72.05,47.5 U1.N16 U1.M17 ; U1.M16 U1.N17 71.4,47.5 U1.R17 U1.T16
  In4.Cu w2: v1(109.19,46.75) 101.14,46.75 92.79,55.1 78.24,55.1
  Bottom w0.15: v5(129.24,46.45) 129.24,46.45 U54.A4
  Bottom w0.5: R202.2 121.48,43.71 TP23.1 121.6,42.76 L20.1
  vias: v1(109.19,46) v1(109.19,45.2) v1(109.94,46.75) v1(109.94,46) v1(109.94,45.2)
VDD_CPU_LIT_S0: length 69.9
  Top w0.254: U1.Y22 U1.W21 U1.V22 U1.U21 U1.T22 ; U1.T21 U1.U22 U1.V21 U1.W22 U1.Y21
  In4.Cu w1: 82.09,45.6 82.09,46.36 67.38,61.07 67.38,80.66 v1(65.09,82.95)
  Bottom w0.15: U18.37 41.33,79.25 41.58,79.5 42.17,79.5 43.22,80.56 43.22,81 43.47,81.25 45.12,81.25
  Bottom w0.5: 57.07,82.96 56.12,82 49.47,82 48.72,81.25 45.12,81.25
  vias: v1(64.34,84.55) v1(64.34,83.75) v1(64.34,82.95) v1(65.09,84.55) v1(65.09,83.75)
VDD_DDR_S0: length 50.1
  Top w0.254: 69.12,47.17 69.12,47.18 68.8,47.5 69.15,47.85 ; 69.12,47.17 U1.R12 U1.T12 U1.U11 ; 69.12,47.17 69.45,47.5 69.15,47.8 69.15,47.85 ; 69.15,47.85 U1.N13 ; U1.L11 70.1,49.45
  In5.Cu w1: 66.84,46.1 66.84,52.49 60.12,59.22 60.12,70.51 54.53,76.1 v1(52.84,76.1)
  Bottom w0.15: U18.46 41.97,76.11 43.17,74.91 45.07,74.91 45.52,74.46 45.52,73.91 46.04,73.38 C196.1
  vias: v1(52.09,76.1) v1(52.09,75.3) v1(52.84,75.3)
VDD_GPU_S0: length 73.6
  Top w0.254: U1.AB12 U1.AA13 U1.AC15 70.1,41 U1.AC13 U1.AA15 ; 70.75,41 U1.AA12 ; U1.AB13 70.1,42.95 U1.AB15 69.45,41
  In4.Cu w1: 65.38,36.93 72.26,36.93 72.34,36.85 74.84,39.35 74.84,50.85 60.84,64.85 60.84,66.1 56.84,70.1 v1(56.84,70.25)
  In5.Cu w0.3: v1(41.82,75.5) 43.62,75.5 47.02,72.11 47.02,69.61 47.32,69.31 v1(47.87,69.31)
  Bottom w0.15: v1(41.82,75.5) 41.57,75.5 41.12,75.06 U18.49
  Bottom w0.3: v1(47.87,69.31) 48.32,69.31
  vias: v1(56.09,71.85) v1(56.09,71.05) v1(56.09,70.25) v1(56.84,71.85) v1(56.84,71.05)
VDD_LOG_S0: length 54.3
  In4.Cu w1: 72.34,41.1 72.34,50.61 62.86,60.1 43.84,60.1 41.59,57.85 v1(40.54,57.85)
  Bottom w0.3: C110.2 73.62,62.42 C109.2 ; C110.2 74.1,62.4 74.83,63.14 C106.2 ; C110.2 74.09,62.4 74.57,61.93 C108.2 74.83,61.92 C107.2 74.83,60.31 75.02,60.13 C102.2 C104.2
  vias: v1(36.38,65.12) v1(38.94,58.6) v1(38.94,57.85) v1(39.74,58.6) v1(39.74,57.85) v1(40.54,58.6)
VDD_NPU_S0: length 21
  Top w0.254: U1.AB23 U1.AC22 75.95,41 U1.AE22 ; U1.AE23 75.3,41 U1.AC23 U1.AB22 U1.AB21
  In4.Cu w2: v1(85.84,35.4) 78.54,35.4 77.84,36.1
  Bottom w0.3: R201.1 101.91,37.9 102.81,37.9 102.83,37.93 TP26.1 ; R201.2 99.58,37.88 98.67,36.97 L2.2
  vias: v1(85.84,36.2) v1(85.84,34.6) v1(86.59,36.2) v1(86.59,35.4) v1(86.59,34.6)
VDD_VDENC_S0: length 95.4
  In4.Cu w1: 31.84,71.35 31.56,71.07 31.56,60.38 ; 56.84,49.35 56.84,49.36 53.05,49.36 52.49,48.8 44.65,48.8 43.84,49.6
  In4.Cu w2: 31.56,60.38 42.34,49.6 43.84,49.6 ; v1(30.64,96.35) 30.64,84.65 28.59,82.6 28.59,79.35 29.84,78.1 29.84,73.35 31.84,71.35 ; 56.84,49.36 58.35,47.85 66.35,47.85 69.84,44.35